# Altium PCB PCB.PcbDoc
Units mil, origin at the board's own origin, x right, y up, seen from the top; angles counter-clockwise.
Board outline 1968.03 x 1488.22 mil, 4 copper layers (Top Layer, Signal Layer 1, Internal Plane 1, Bottom Layer), stack 30.634 mil thick; 101 components, 68 nets, 410 pads, 102 vias.
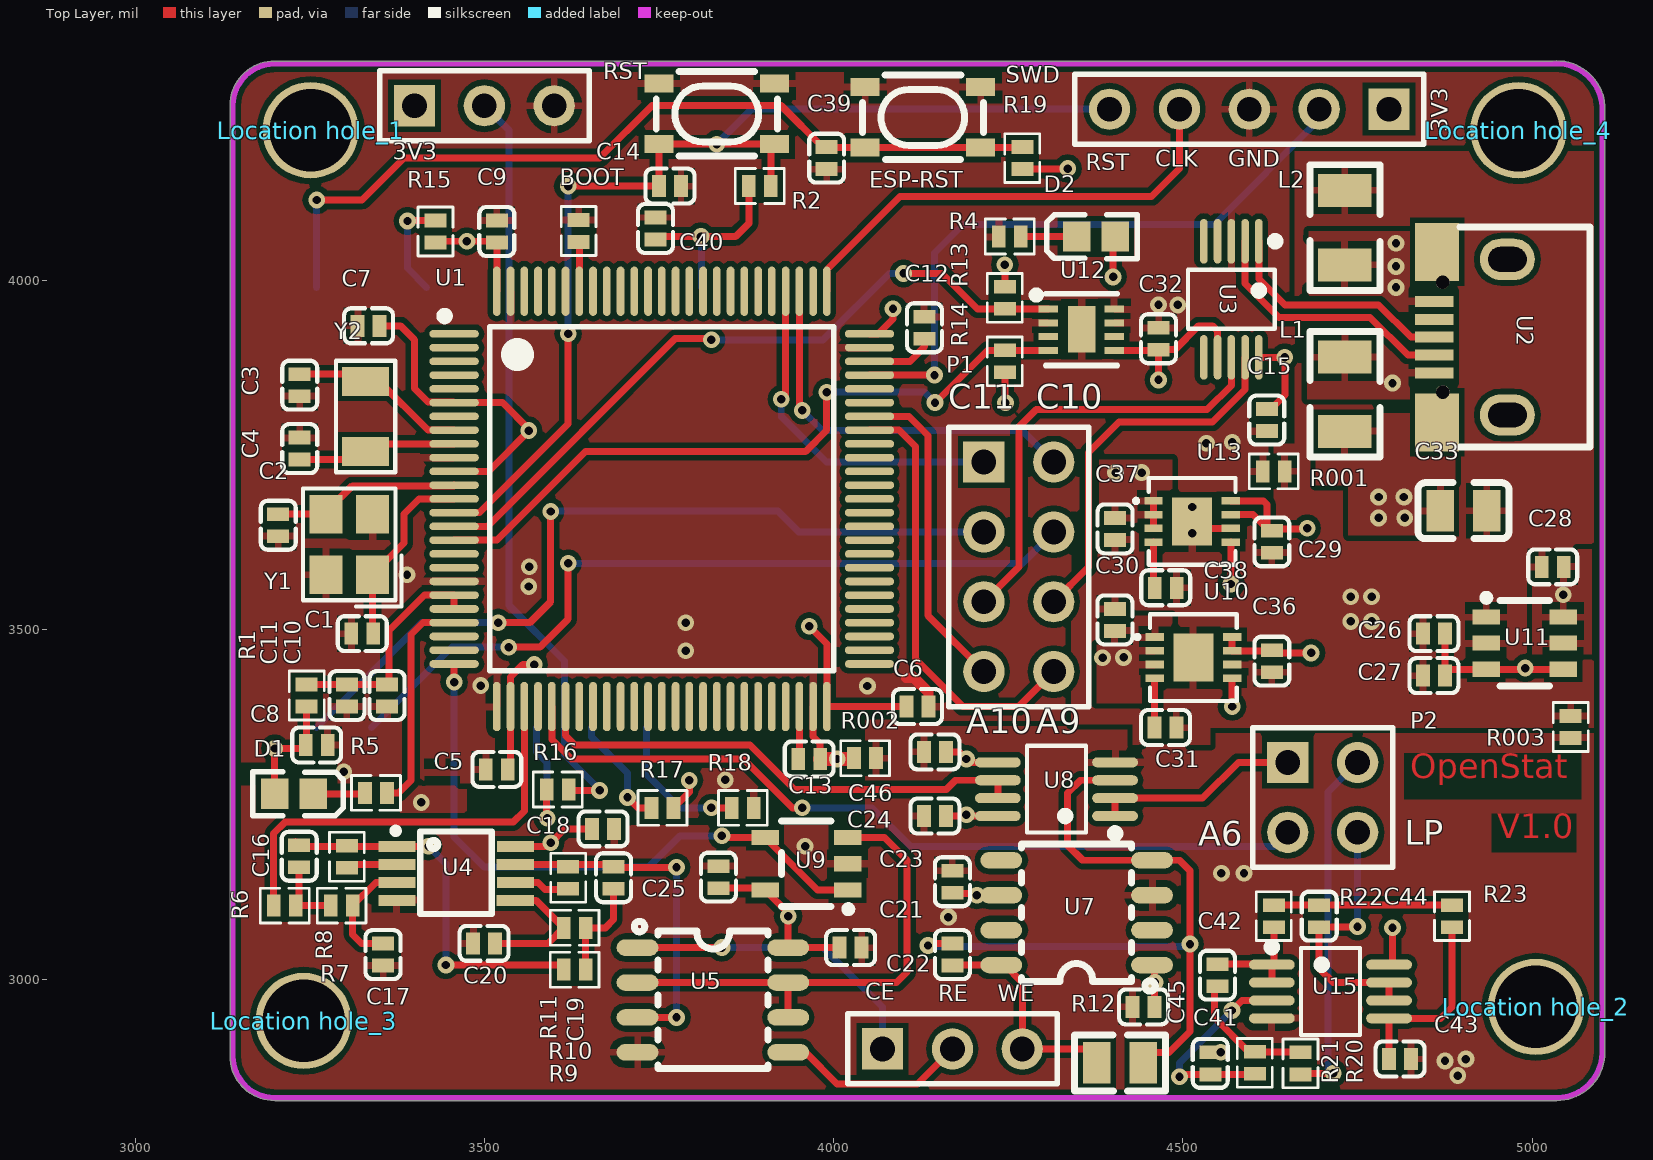
[diagram p0: Top Layer view]
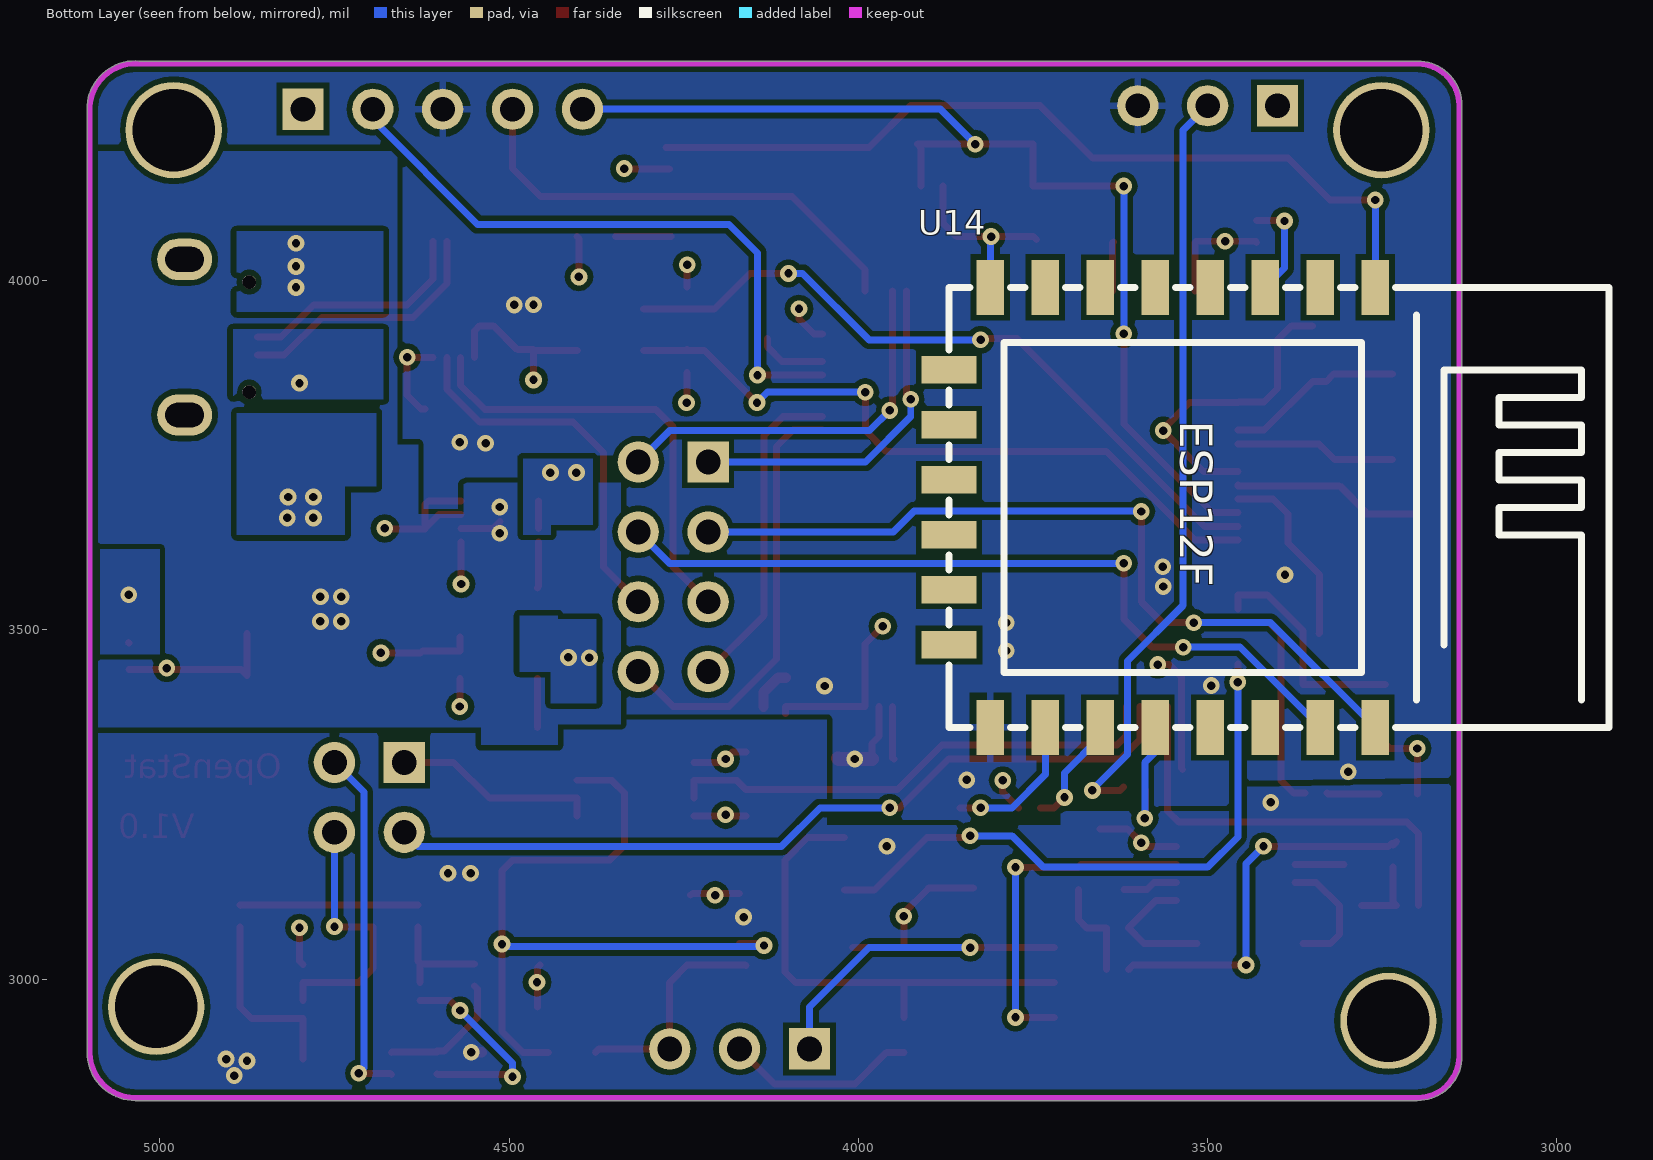
[diagram p1: Bottom Layer view, seen from below]
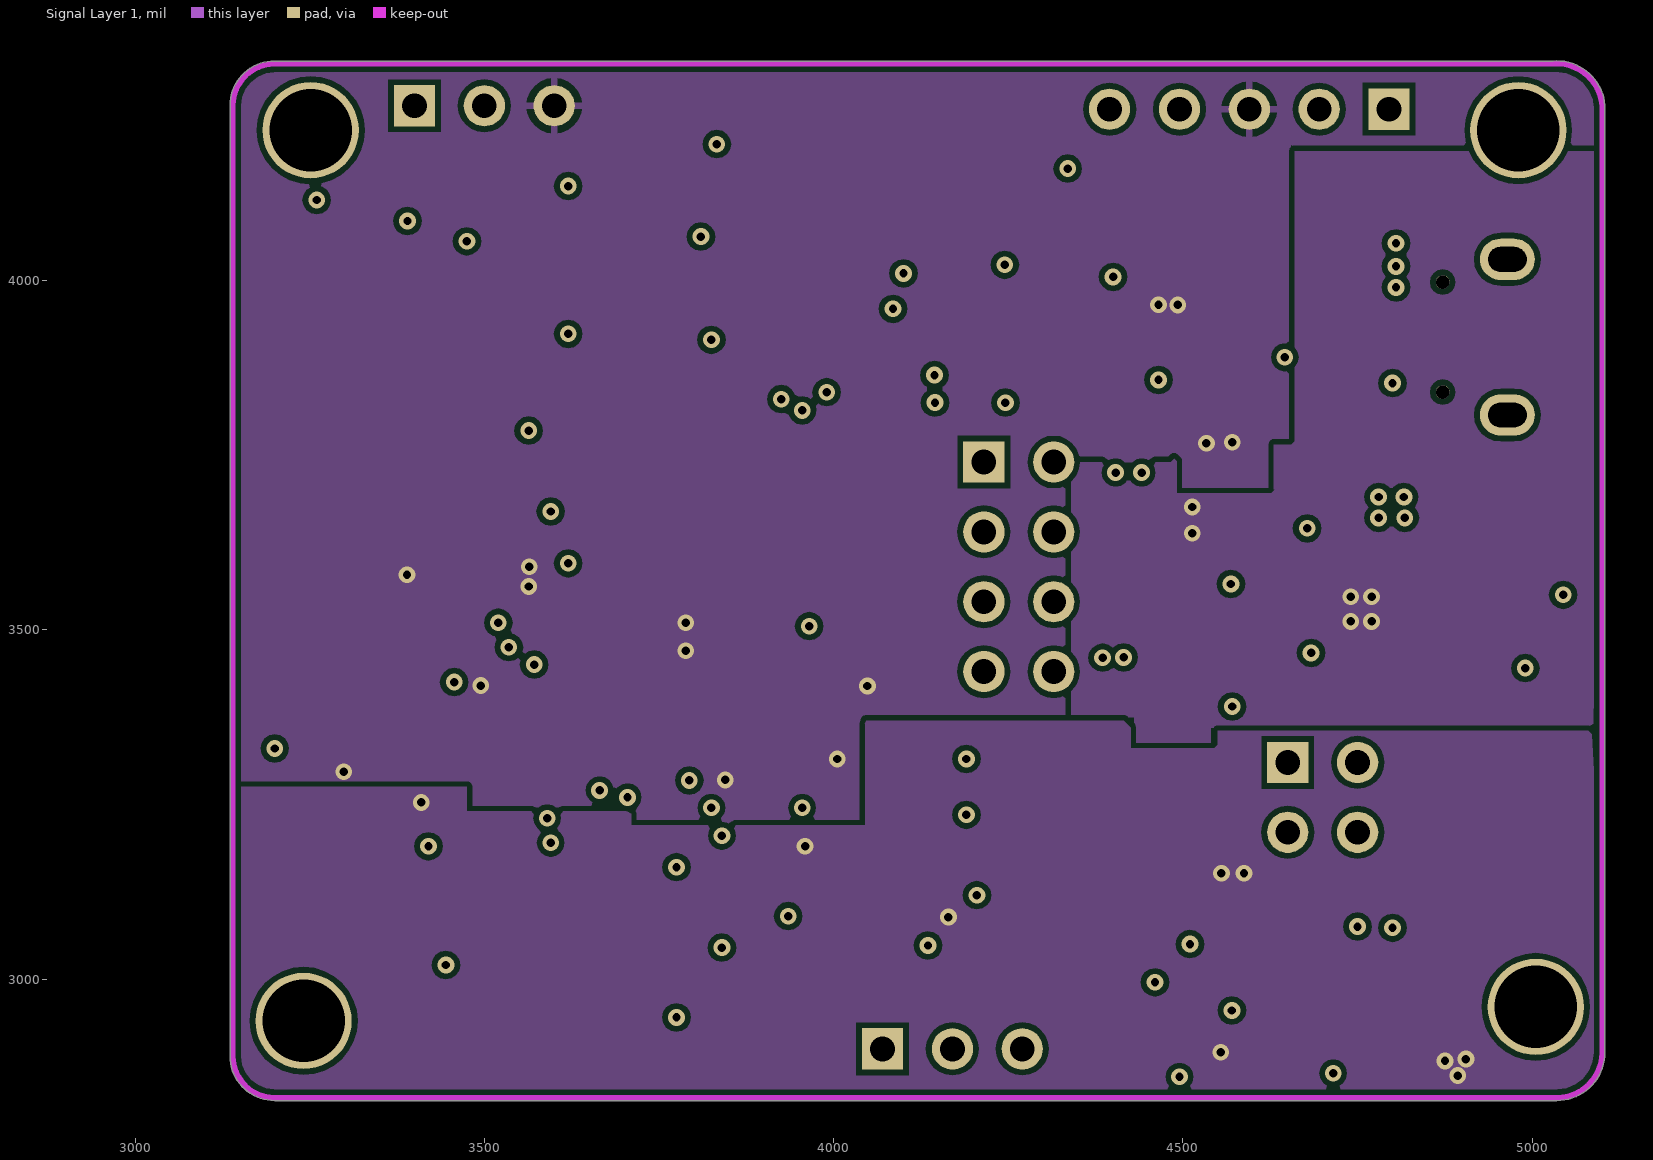
[diagram p2: Signal Layer 1]
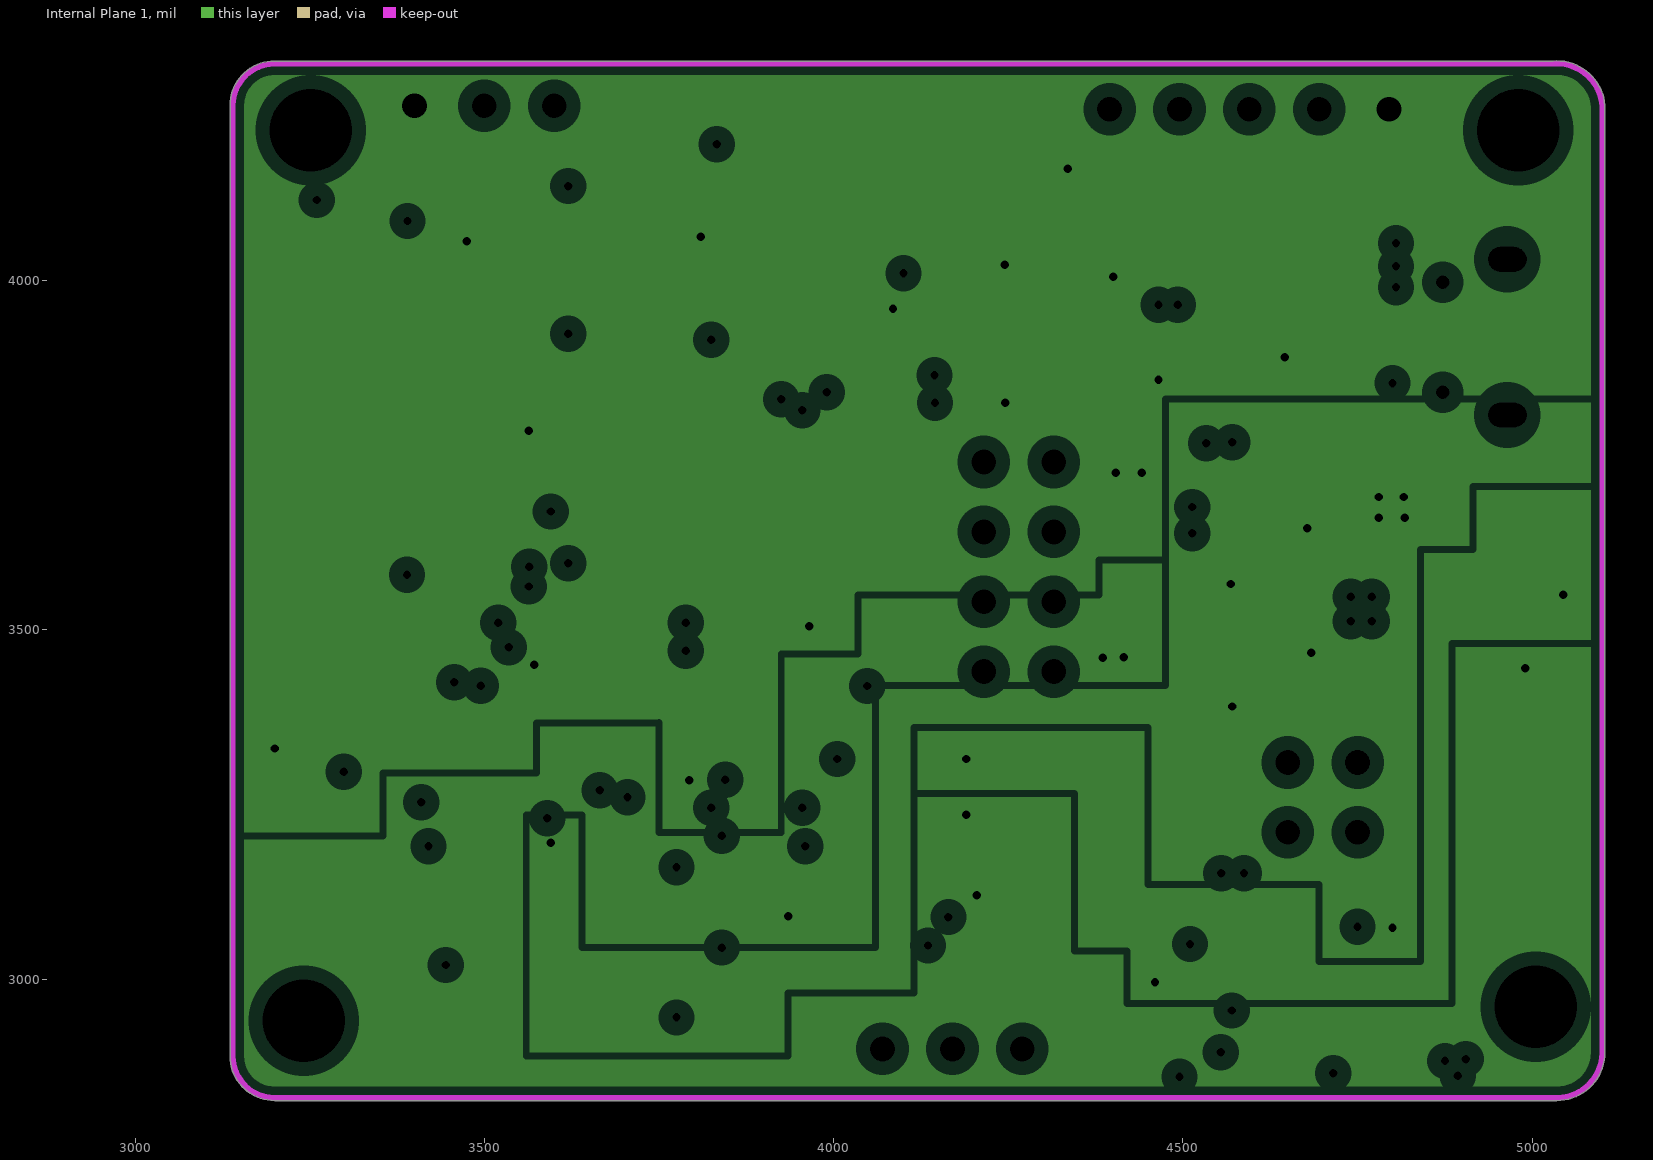
[diagram p3: Internal Plane 1, clearances drawn from the general rule]
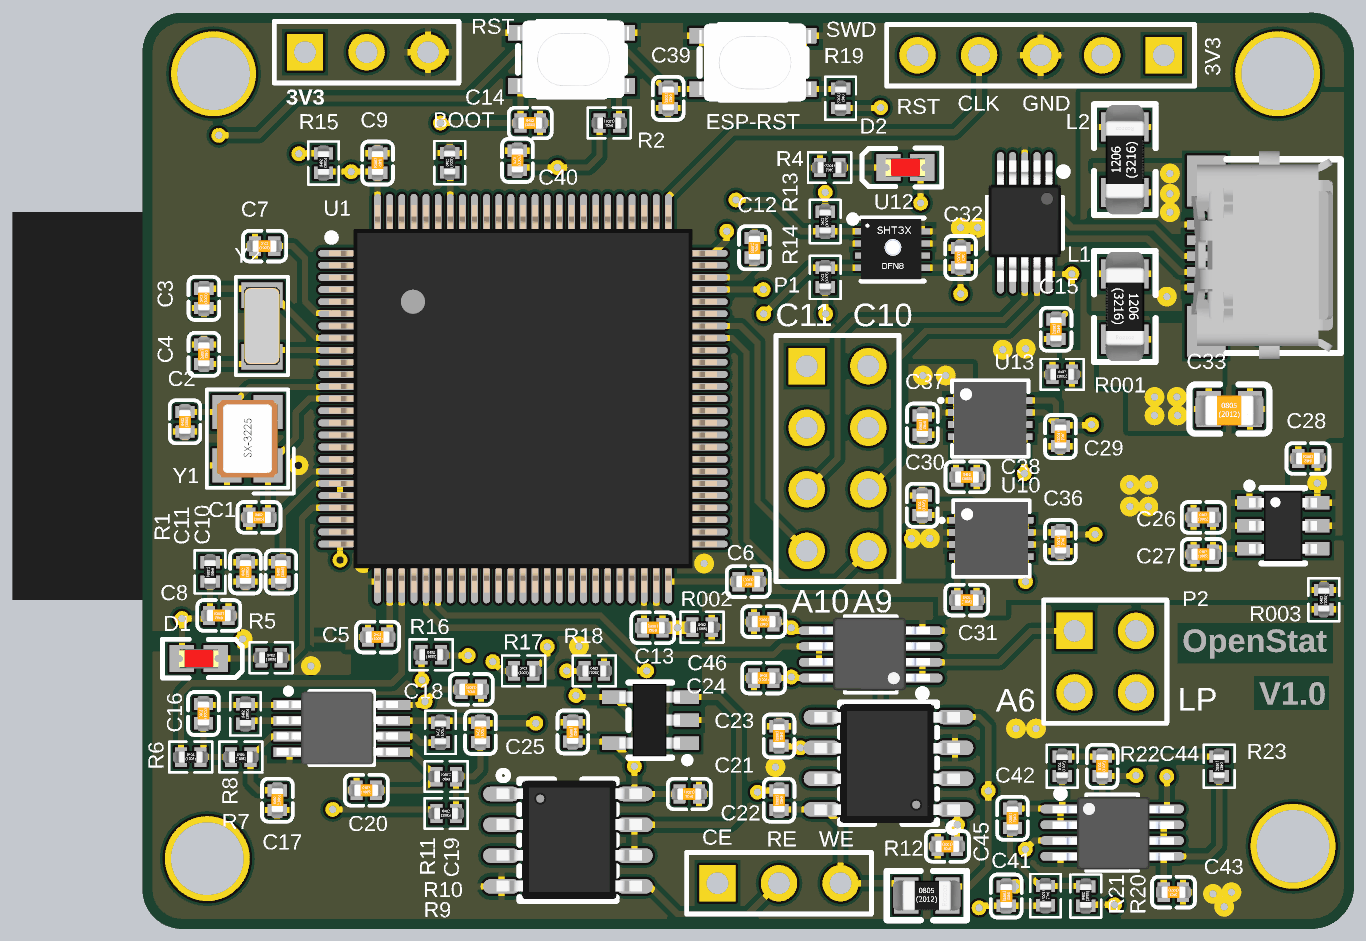
[diagram p4: 3D render of the assembled board from above, using the file's embedded part models]

## Layer stack, top to bottom
Top Solder: solder mask 0.4, Solder Resist, Dk 3.5
Top Layer: signal copper 1.4
Dielectric 1: core 10, FR-4, Dk 4.2
Signal Layer 1: signal copper 1.417
Dielectric 3: prepreg 5, Dk 4.2
Internal Plane 1: plane copper 1.417, net (Multiple Nets)
Dielectric 2: core 10, Dk 4.2
Bottom Layer: signal copper 1.4
Bottom Solder: solder mask 0.4, Solder Resist, Dk 3.5

## Board outline
3135.99,2890 ccw(c3200,2890) 3200,2825.99 5035,2825.99 5035,2825.98 ccw(c5035,2895) 5104.02,2895 5104.02,4250 ccw(c5100,4250) 5104,4250.31 ccw(c5035,4245) 5040.31,4314 ccw(c5035,4245) 5029.85,4314.02 3200,4314.02 ccw(c3200,4250) 3135.99,4250

## Design rules (kind name [scope] priority, off if disabled: settings)
Clearance [All] p1: gap=8 ignorepadtopadclearanceinfootprint=TRUE except(0: Arc-Hole Track-Hole SMDPad-Hole THPad-Hole Via-Hole Fill-Hole Poly-Hole Region-Hole Text-Hole)
PlaneClearance [All] p1: clearance=20
PlaneConnect [All] p1: planeconnectstyle=Relief reliefexpansion=20 reliefentries=4 reliefconductorwidth=10 reliefairgap=10
PolygonConnect PolygonConnect_Via [IsVia] p1: connectstyle=Direct reliefconductorwidth=10 reliefentries=4 polygonreliefangle="90 Angle" airgapwidth=10
PolygonConnect [All] p2: connectstyle=Relief reliefconductorwidth=10 reliefentries=4 polygonreliefangle="90 Angle" airgapwidth=10
RoutingVias [All] p1: holewidth=12 width=24 viastyle="Through Hole" minholewidth=1 minwidth=1 maxholewidth=100 maxwidth=100
SolderMaskExpansion [All] p1: expansion=4
Width [All] p1: maxlimit=100 minlimit=1 preferedwidth=10 midlayer1_minwidth=10 midlayer1_maxwidth=10 minimp=50.000000 maximp=50.000000 favimp=50.000000
28 further rules are at their usual default settings.

## Components (designator, comment, footprint, x,y, rotation, side; value= is the part's Value field where it differs from the comment)
3V3 "Header 3" HDR1X3 3400,4250 r0 top (schematic designator IO_0)
BOOT "100K" RES_0402 3635,4070.75 r90 top
C1 "22pF" CAP_0402 3325.23,3494.37 r0 top
C2 "22pF" CAP_0402 3205,3649.56 r90 top
C3 "6pF" CAP_0402 3235.75,3850 r90 top
C4 "6pF" CAP_0402 3235.75,3759.25 r270 top
C5 "104" CAP_0402 3517.84,3300 r0 top
C6 "104" CAP_0402 4120,3390 r180 top
C7 "104" CAP_0402 3334.25,3935 r0 top
C8 "104" CAP_0402 3260,3335 r180 top
C9 "104" CAP_0402 3517.84,4070 r270 top
C10 "225" CAP_0402 3360.75,3405.75 r90 top
C11 "104" CAP_0402 3303.27,3405.75 r90 top
C12 "225" CAP_0402 4130,3932.25 r270 top
C13 "225" CAP_0402 3965,3315 r180 top
C14 "104" CAP_0402 3765.75,4135 r0 top
C15 "104" CAP_0402 4620,3800 r270 top
C16 "180pF" CAP_0402 3235,3175.75 r90 top
C17 "160pF" CAP_0402 3355,3035 r90 top
C18 "100nF" CAP_0402 3670,3215 r180 top
C19 "180pF" CAP_0402 3685,3145 r90 top
C20 "68pF" CAP_0402 3499.57,3051.07 r0 top
C21 "100nF" CAP_0402 4024.25,3045 r180 top
C22 "0.02uF" CAP_0402 4170,3035 r270 top
C23 "100nF" CAP_0402 4170,3139.25 r270 top
C24 "100nF" CAP_0402 4145,3233.32 r0 top
C25 "100nF" CAP_0402 3835,3145.75 r270 top
C26 "1uF" CAP_0402 4859.25,3494.37 r0 top
C27 "0.1uF" CAP_0402 4859.25,3434.37 r0 top
C28 "0.1uF" CAP_0402 5029.25,3590 r180 top
C29 "4.7uF" CAP_0402 4627.2,3625.75 r270 top
C30 "4.7uF" CAP_0402 4402.54,3514.01 r90 top
C31 "1nF" CAP_0402 4475,3360 r0 top
C32 "106" CAP_0402 4465,3916.5 r270 top
C33 "Cap2" CAP_0805 4901.53,3670.35 r0 top value=22uf
C36 "4.7uF" CAP_0402 4627.2,3455 r270 top
C37 "4.7uF" CAP_0402 4402.8,3644.25 r270 top
C38 "1nF" CAP_0402 4475.34,3560 r0 top
C39 "104" CAP_0402 3990,4175 r270 top
C40 "104" CAP_0402 3745,4074.25 r90 top
C41 "1uF" CAP_0402 4539.09,2879.25 r270 top
C42 "3.3uF" CAP_0402 4549.25,3005.51 r270 top
C43 "1uF" CAP_0402 4810.75,2885.51 r180 top
C44 "68uF" CAP_0402 4695,3090 r90 top
C45 "100nF" CAP_0402 4443.47,2960 r180 top
C46 "100nF" CAP_0402 4145,3325 r180 top
CE "电化学传感器" HDR1X3 4070,2900 r0 top (schematic designator U6)
D1 "LED" DIODE_0603 3227.44,3265 r0 top
D2 "LED" DIODE_0603 4375.24,4062.68 r180 top
ESP-RST "SW-PB" key3*3 4286.03,4234.32 r180 top
L1 "Inductor" RES_1206 4731.81,3836.89 r270 top value=10uH
L2 "Inductor" RES_1206 4731.81,4075.52 r90 top value=10uH
"Location hole_1" "Touch" "kong 3.5" 3246.38,4110 r90 top
"Location hole_2" "Touch" "kong 3.5" 5000,2855 r90 top
"Location hole_3" "Touch" "kong 3.5" 3236.24,2835 r90 top
"Location hole_4" "Touch" "kong 3.5" 4975,4110 r90 top
P1 "Header 4X2" HDR2X4 4215,3740 r270 top
P2 "Header 2X2" HDR2X2 4650,3310 r270 top
R1 "10R" RES_0402 3245.75,3405.75 r270 top
R001 "0" RES_0402 4630,3726.61 r0 top
R2 "10K" RES_0402 3894.25,4135 r180 top
R002 "0" RES_0402 4045,3316.01 r0 top
R003 "0" RES_0402 5055,3360.75 r90 top
R4 "1K" RES_0402 4252.05,4062.68 r180 top
R5 "1K" RES_0402 3344.82,3266.46 r0 top
R6 "18.7K" RES_0402 3214.25,3105 r0 top
R7 "18.7K" RES_0402 3295.75,3105 r0 top
R8 "1K" RES_0402 3303.27,3175 r90 top
R9 "25.5K" RES_0402 3629.25,3013.32 r0 top
R10 "25.5K" RES_0402 3629.25,3073.32 r180 top
R11 "1K" RES_0402 3620,3145 r90 top
R12 "12K" RES_0805 4410,2880 r0 top
R13 "10K" RES_0402 4245,3975 r90 top
R14 "10K" RES_0402 4245,3884.09 r90 top
R15 "Res2" RES_0402 3430,4070 r90 top value=10K
R16 "Res2" RES_0402 3605,3271.23 r0 top value=10K
R17 "Res2" RES_0402 3755,3245 r0 top value=10K
R18 "Res2" RES_0402 3870,3245 r0 top value=10K
R19 "10K" RES_0402 4270,4175 r270 top
R20 "10K" RES_0402 4668.22,2879.25 r90 top
R21 "33K" RES_0402 4602.87,2880 r270 top
R22 "1K" RES_0402 4630,3090 r90 top
R23 "3.3K" RES_0402 4885,3090 r270 top
RST "SW-PB" key3*3 3991.03,4239.32 r180 top
SWD "Header 5" HDR1X5 4795,4245 r180 top
U1 "STM32H750VBT6" LQFP-100 3831.47,4064.83 r270 top
U2 "U254-051T-4BH83-F1S" USB 4957.44,3680.35 r90 top
U3 "CH340E" MSOP-10_L3.0-W3.0-P0.50-LS5.0-BL 4594.25,3965.75 r270 top
U4 "MAX4477" uMAX-8 3332.5,3141.13 r0 top
U5 "LMP7702" SOIC-8 3849.37,3115.5 r270 top
U7 "LMP7721" SOIC-8 4325.63,2949.5 r90 top
U8 "OPA2350UA" "VSSOP-8 - 2350" 4457.02,3262.43 r180 top
U9 "LMP7715MF" SOT-23-5 4119.69,3176.02 r180 top
U10 "ADM7171" LFCSP-8 4515,3559.84 r270 top
U11 "ADR3412" SOT-23-6 4873.94,3475.7 r0 top
U12 "SHT31" DFN-8_EP_3x3mm 4345,4055 r270 top
U13 "ADM7171" LFCSP-8 4513.16,3754.73 r270 top
U14 "ESP-12F(ESP8266MOD)" ESP8266 3504.64,4084.38 r270 bottom
U15 "OPA2350UA" "VSSOP-8 - 2350" 4572.98,2991.39 r0 top
Y1 "25Mhz" "SMD 3225" 3294.62,3475.25 r90 top
Y2 "32.768KHz" "SMD 3215-2P 32.768K" 3315.47,3707.33 r90 top

## Footprints (in the part's own frame and the unit in brackets; to place one, negate y for a bottom-side part, rotate by r counter-clockwise, add the part's x,y. Pads: shape width x height; smd on the part's side, far side on the other; paste and mask are expansions set on the pad)
CAP_0402 [mm]
  rect 0.5x0.8 smd: 1(-0.4,0) 2(0.4,0)
  silkscreen extent -0.89,-0.64 0.89,0.64, body extent -0.73,-0.25 0.73,0.25, height 0.51
CAP_0805 [mm]
  rect 1x1.5 smd: 1(-0.85,0) 2(0.85,0)
  silkscreen extent -1.65,-1.02 1.65,1.02, body extent -1.4,-0.69 1.4,0.56, height 0.8
DFN-8_EP_3x3mm [mm]
  rect 0.25x0.7 smd: 1(2.44,-0.959) 2(2.94,-0.959) 3(3.44,-0.959) 4(3.94,-0.959) 5(3.94,1.441) 6(3.44,1.441) 7(2.94,1.441) 8(2.44,1.441)
  rect 1.7x1 smd: 9(3.175,0.254)
  silkscreen extent 1.8,-1.53 4.49,1.54, body extent 1.92,-1.06 4.43,1.44, height 0.9
DIODE_0603 [mm]
  rect 1x1.1 smd: 1(-0.7,0) 2(0.7,0)
  silkscreen extent -1.5,-0.8 1.79,0.8, body extent -0.81,-0.4 0.81,0.4, height 0.6
ESP8266 [mm]
  rect 2x1 smd: 1(2.397,6.214) 2(2.397,4.214) 3(2.397,2.214) 4(2.397,0.214) 5(2.397,-1.786) 6(2.397,-3.786) 7(2.397,-5.786) 8(2.398,-7.786) 9(18.397,-7.786) 10(18.399,-5.786) 11(18.4,-3.786) 12(18.399,-1.786) 13(18.398,0.214) 14(18.399,2.214) 15(18.399,4.214) 16(18.399,6.214)
  rect 1x2 smd: 17(5.399,-9.287) 18(7.397,-9.286) 19(9.395,-9.286) 20(11.396,-9.286) 21(13.395,-9.286) 22(15.395,-9.287)
  silkscreen extent 2.4,-9.29 18.4,14.71, body extent 2.39,-9.29 18.4,14.72, height 2.65
HDR1X3 [mm] "Connector; Header; 3 Position"
  rect 1.5x1.5 hole 0.9: 1(0,0)
  round 1.5 hole 0.9: 2(2.54,0) 3(5.08,0)
  silkscreen extent -1.27,-1.27 6.35,1.27
HDR1X5 [mm] "Connector; Header; 5 Position"
  rect 1.5x1.5 hole 0.9: 1(0,0)
  round 1.5 hole 0.9: 2(2.54,0) 3(5.08,0) 4(7.62,0) 5(10.16,0)
  silkscreen extent -1.27,-1.27 11.43,1.27
HDR2X2 [mm] "Connector; Header; 2x2 Position"
  rect 1.5x1.5 hole 0.9: 1(0,0)
  round 1.5 hole 0.9: 2(0,2.54) 3(2.54,0) 4(2.54,2.54)
  silkscreen extent -1.27,-1.27 3.81,3.81
HDR2X4 [mm] "Connector; Header; 4x2 Position"
  rect 1.5x1.5 hole 0.9: 1(0,0)
  round 1.5 hole 0.9: 2(0,2.54) 3(2.54,0) 4(2.54,2.54) 5(5.08,0) 6(5.08,2.54) 7(7.62,0) 8(7.62,2.54)
  silkscreen extent -1.27,-1.27 8.89,3.81
key3*3 [mm]
  rect 1.05x0.65 smd: 1(1.922,1.126) 1(6.122,1.126) 2(1.922,-1.074) 2(6.122,-1.074)
  silkscreen extent 1.82,-1.52 6.22,1.55, body extent 1.64,-1.57 6.24,1.63, height 2.5
"kong 3.5" [mm]
  round 3.5 hole 3: 7(2.667,-0.127)
LFCSP-8 [mm]
  rect 1.74x1.45 smd: 0(2.536,0)
  rect 0.28x0.665 smd: 1(1.786,-1.407) 2(2.286,-1.407) 3(2.786,-1.407) 4(3.286,-1.407) 5(3.286,1.407) 6(2.786,1.407) 7(2.286,1.407) 8(1.786,1.407)
  silkscreen extent 0.96,-2.11 4.11,1.58, body extent 1.04,-1.51 4.04,1.51, height 0.8
LQFP-100 [mm]
  oval 0.28x1.796 smd: 1(3.591,-9.516) 2(4.091,-9.516) 3(4.591,-9.516) 4(5.091,-9.516) 5(5.591,-9.516) 6(6.091,-9.516) 7(6.591,-9.516) 8(7.091,-9.516) 9(7.591,-9.516) 10(8.091,-9.516) 11(8.591,-9.516) 12(9.091,-9.516) 13(9.591,-9.516) 14(10.091,-9.516) 15(10.591,-9.516) 16(11.091,-9.516) 17(11.591,-9.516) 18(12.091,-9.516) 19(12.591,-9.516) 20(13.091,-9.516) 21(13.591,-9.516) 22(14.091,-9.516) 23(14.591,-9.516) 24(15.091,-9.516) 25(15.591,-9.516) 51(15.591,5.584) 52(15.091,5.584) 53(14.591,5.584) 54(14.091,5.584) 55(13.591,5.584) 56(13.091,5.584) 57(12.591,5.584) 58(12.091,5.584) 59(11.591,5.584) 60(11.091,5.584) 61(10.591,5.584) 62(10.091,5.584) 63(9.591,5.584) 64(9.091,5.584) 65(8.591,5.584) 66(8.091,5.584) 67(7.591,5.584) 68(7.091,5.584) 69(6.591,5.584) 70(6.091,5.584) 71(5.591,5.584) 72(5.091,5.584) 73(4.591,5.584) 74(4.091,5.584) 75(3.591,5.584)
  oval 1.796x0.28 smd: 26(17.141,-7.966) 27(17.141,-7.466) 28(17.141,-6.966) 29(17.141,-6.466) 30(17.141,-5.966) 31(17.141,-5.466) 32(17.141,-4.966) 33(17.141,-4.466) 34(17.141,-3.966) 35(17.141,-3.466) 36(17.141,-2.966) 37(17.141,-2.466) 38(17.141,-1.966) 39(17.141,-1.466) 40(17.141,-0.966) 41(17.141,-0.466) 42(17.141,0.034) 43(17.141,0.534) 44(17.141,1.034) 45(17.141,1.534) 46(17.141,2.034) 47(17.141,2.534) 48(17.141,3.034) 49(17.141,3.534) 50(17.141,4.034) 76(2.041,4.034) 77(2.041,3.534) 78(2.041,3.034) 79(2.041,2.534) 80(2.041,2.034) 81(2.041,1.534) 82(2.041,1.034) 83(2.041,0.534) 84(2.041,0.034) 85(2.041,-0.466) 86(2.041,-0.966) 87(2.041,-1.466) 88(2.041,-1.966) 89(2.041,-2.466) 90(2.041,-2.966) 91(2.041,-3.466) 92(2.041,-3.966) 93(2.041,-4.466) 94(2.041,-4.966) 95(2.041,-5.466) 96(2.041,-5.966) 97(2.041,-6.466) 98(2.041,-6.966) 99(2.041,-7.466) 100(2.041,-7.966)